# KiCad board KeeBoard.kicad_pcb (continued)
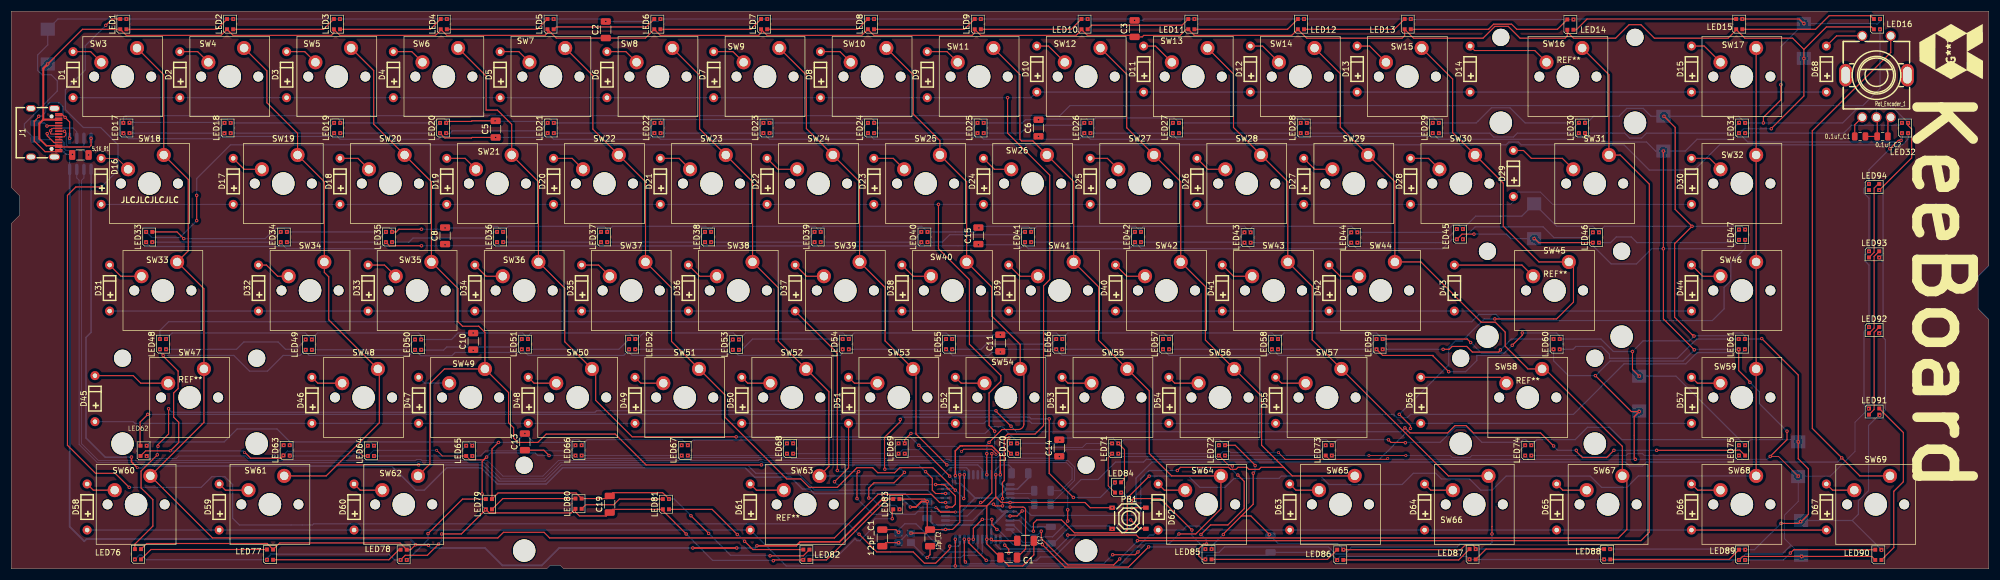
[diagram p0: board, top side]
## Routing (per net, layer and track width the routed paths; a pad name or vN(x,y) marks a point on that pad's centre or on a via; arc(x,y) is an arc through that point) (continued)
C12: length 230.4
  Top w0.2: v1(188,6) 200.2,6 200.7,5.5 286,5.5 287.5,7 287.5,16 286.96,16.54 SW67.2 286.7,21.8 272.91,35.59 SW58.2 269.91,35.59 265.85,39.65 265.85,42.15 264.08,43.92 261.58,43.92 250.86,54.64 246.21,54.64 246.21,68.93 SW29.2 236.5,78.65 236.5,88.17 SW14.2 ; v1(176.8,4.2) 177.5,3.5 v1(177.5,2.8)
  Bottom w0.2: v1(188,6) 188,5.5 185.6,3.1 177.8,3.1 v1(177.5,2.8) ; v1(176.8,4.2) 176.8,4.46 U2.12
C13: length 187.7
  Top w0.2: v1(188,10.5) v1(188,8.5) ; v1(264,44.5) 275,44.5 278,47.5 278,54 277.36,54.64 SW45.2 271.86,54.64 265.5,61 265.5,68.69 SW30.2 256.5,77.69 256.5,87.22 SW15.2 ; v1(249,25) 249,25.5 v1(247,27.5)
  Bottom w0.2: v1(264,44.5) 262.1,44.5 258.15,40.55 256.95,40.55 255.8,39.4 255.8,36.3 v1(247,27.5) ; v1(249,25) 243.47,19.47 202.03,19.47 202,19.5 201.5,19 196.5,19 193.4,15.9 190.4,15.9 188,13.5 v1(188,10.5) ; U2.11 180.04,4.7 182.7,4.7 183.7,5.7 185.3,5.7 188,8.4 v1(188,8.5)
C14: length 212.8
  Top w0.2: v1(200.4,5) 290,5 291.5,6.5 291.5,68.5 286.31,73.69 SW31.2 284.31,87.98 SW16.2 ; v1(183.3,6.7) 183.3,5.4 188.02,0.68 196.18,0.68 v1(197.25,1.75)
  Bottom w0.2: U2.10 178.27,7.8 180.07,6 182.6,6 v1(183.3,6.7) ; v1(197.25,1.75) 200.4,4.9
C15: length 226.9
  Top w0.2: v1(181.9,6.7) 181.9,8.1 182.5,8.7 186.9,8.7 189.2,6.4 198.1,6.4 198.6,6.9 198.6,12.6 v1(202.5,16.5) ; SW17.2 SW32.2 SW46.2 SW59.2 SW68.2
  Bottom w0.2: SW68.2 289.54,16.54 287.5,14.5 283,14.5 281,16.5 266,16.5 263.5,14 261.5,14 259.5,16 254.5,16 253.5,17 249.5,17 247.51,15.01 234.49,15.01 233,16.5 226,16.5 225.6,16.1 217.6,16.1 216,14.5 211.5,14.5 209.5,16.5 v1(202.5,16.5) ; U2.9 179.4,8.6 181.3,6.7 v1(181.9,6.7)
C16: length 250.2
  Top w0.2: v1(177.74,9.4) 179,9.4 v1(179.9,10.3) ; SW69.2 328.96,16.54 v1(325.75,19.75) 320.5,25 320.5,78 334.46,91.96 Rot_Encoder_1.E
  Bottom w0.2: v1(179.9,10.3) 180.7,10.3 181.5,9.5 199.7,9.5 200.15,9.95 200.15,16.15 203,19 287.3,19 288,18.3 290.3,18.3 291,19 325,19 v1(325.75,19.75)
d+: length 238.5
  Bottom w0.15: R2.1 189.22,15.76 189.22,18.09 188.02,19.3 167.05,19.3 166.9,19.45 166.1,19.45 165.95,19.3 134.05,19.3 133.9,19.45 133.1,19.45 132.95,19.3 97.4,19.3 94.6,16.5 87.5,16.5 84.7,19.3 73.05,19.3 72.9,19.45 72.1,19.45 71.95,19.3 15.48,19.3 12.52,22.26 12.52,69.2 12.93,69.61 U3.2
d-: length 237
  Bottom w0.15: R3.1 186.73,13.9 188.78,15.95 188.78,17.91 187.78,18.9 166.88,18.9 166.73,19.05 166.27,19.05 166.12,18.9 133.88,18.9 133.73,19.05 133.27,19.05 133.12,18.9 97.7,18.9 94.8,16 87.1,16 84.2,18.9 72.88,18.9 72.73,19.05 72.27,19.05 72.12,18.9 15.32,18.9 12.07,22.14 12.07,69.2 11.66,69.61 U3.3
encoder_a: length 4
  Top w0.2: 0.1uf_C1.1 328.05,79.08 329.38,80.41
encoder_b: length 3.6
  Top w0.2: 0.1uf_C2.2 333.95,79.9 Rot_Encoder_1.B
LED_DIN: length 268.1
  Top w0.2: v1(16.82,96.79) 17.95,97.91 LED1.4 ; v1(150.87,6.16) 154.03,3 160.5,3 162.5,1 164.5,1 167,3.5 167,4 ; v1(16,68) 11.5,68 10,66.5 10,22 15,17 18.5,17 v1(21,14.5)
  Bottom w0.2: v1(21,14.5) 33.8,14.5 35.7,16.4 38,16.4 39.4,15 39.4,9 40.6,7.8 53.6,7.8 53.8,8 149,8 150.8,6.2 ; v1(16,68) 19,71 19,75.5 15.91,78.59 12.83,78.59 9.64,81.78 9.64,85.31 13.17,88.84 13.17,93.14 v1(16.82,96.79) ; U2.21 168.8,4.3 168.5,4 168.48,4.02 v1(167.01,4.02)
R1: length 406
  Top w0.2: v1(176.4,11.2) 175.1,11.2 v1(174.8,11.5) ; v1(177.3,83.9) 177.3,77.6 184.8,70.1 184.8,51.5 183.7,50.4 183.7,25.5 182.2,24 177.3,24 176.7,23.4 176.7,15.7 176.4,15.4 v1(176.4,12.5)
  Bottom w0.2: v1(176.4,12.5) v1(176.4,11.2) ; v1(174.8,11.5) 174,11.5 171.1,8.6 U2.25 ; D68.1 D10.1 181.5,83.9 v1(177.3,83.9) D1.1
R2: length 352.8
  Top w0.2: v1(175,24.5) 174,25.5 174,31.3 176.1,33.4 176.1,34.4 170.5,40 170.5,51.5 165,57 v1(165,64.9) ; v1(172.5,11.8) 172.8,11.8 174.5,13.5 v1(174.5,20.5)
  Bottom w0.15: D30.1 274.3,64.9 272.1,67.1 268.1,67.1 D29.1 267.3,65.4 266.8,64.9 v1(165,64.9) D16.1
  Bottom w0.2: v1(175,24.5) 175,21 v1(174.5,20.5) ; U2.26 170.1,9.4 v1(172.5,11.8)
R3: length 340.1
  Top w0.2: v1(150.5,12.5) 150.5,17 v1(150.8,17.3) ; v1(147,17.5) 147,38.4 D37.1
  Bottom w0.2: v1(150.8,17.3) 147.3,17.3 147,17.6 ; v1(150.5,12.5) 153.3,9.7 160.8,9.7 161.3,10.2 U2.27 ; 257.9,45.9 D43.1 ; 257.9,45.9 D44.1 ; 257.9,45.9 D31.1
R4: length 321.7
  Top w0.2: v1(166.5,11) 167.5,11 168,11.5 168,13 166,15 v1(164.5,15) ; D51.1 149,18 v1(146.5,15.5)
  Bottom w0.2: D45.1 21.7,26.2 22,25.9 173.1,25.9 173.5,26.3 181.2,26.3 181.6,25.9 D57.1 ; v1(164.5,15) 147,15 v1(146.5,15.5)
R5: length 320.1
  Top w0.2: D66.1 D67.1 ; v1(168,5.26) v1(168,0.5)
  Bottom w0.2: D66.1 D65.1 D64.1 D63.1 212.1,6.9 211.4,7.6 209.2,7.6 208.5,6.9 D62.1 203.2,6 202.6,6 197.1,0.5 v1(168,0.5) 137.9,0.5 D61.1 D58.1
Rt_1: length 7.1
  Top w0.2: 329.38,94.91 324.81,94.91 D68.2
Net-(D1-A): length 5.8
  Top w0.2: SW3.1 14.13,92.1 D1.2
Net-(D2-A): length 5.9
  Top w0.2: D2.2 33.18,92.1 SW4.1
Net-(D3-A): length 5.9
  Top w0.2: SW5.1 52.23,92.1 D3.2
Net-(D4-A): length 6
  Top w0.2: SW6.1 71.28,92.1 D4.2
Net-(D5-A): length 6
  Top w0.2: D5.2 90.33,92.1 SW7.1
Net-(D6-A): length 6.1
  Top w0.2: D6.2 109.38,92.1 SW8.1
Net-(D7-A): length 6.1
  Top w0.2: SW9.1 128.43,92.1 D7.2
Net-(D8-A): length 6.2
  Top w0.2: D8.2 147.48,92.1 SW10.1
Net-(D9-A): length 6.2
  Top w0.2: SW11.1 166.53,92.1 D9.2
Net-(D10-A): length 6.2
  Top w0.2: D10.2 184.58,93.1 SW12.1
Net-(D11-A): length 6.2
  Top w0.2: SW13.1 203.63,93.1 D11.2
Net-(D12-A): length 6.3
  Top w0.2: SW14.1 222.68,93.1 D12.2
Net-(D13-A): length 6.3
  Top w0.2: SW15.1 241.73,93.1 D13.2
Net-(D14-A): length 14.8
  Top w0.2: SW16.1 271.1,92.3 271.1,92.3 260.4,92.3 D14.2
Net-(D15-A): length 6.4
  Top w0.2: D15.2 301.26,93.1 SW17.1
Net-(D16-A): length 5.6
  Top w0.15: SW18.1 18.84,73.1 D16.2
Net-(D17-A): length 5.9
  Top w0.2: SW19.1 41.45,71.15 D17.2
Net-(D18-A): length 6
  Top w0.2: D18.2 61.7,73.1 SW20.1
Net-(D19-A): length 6
  Top w0.2: SW21.1 80.75,73.1 D19.2
Net-(D20-A): length 6.1
  Top w0.2: SW22.1 99.81,73.1 D20.2
Net-(D21-A): length 6.1
  Top w0.2: D21.2 118.85,73.1 SW23.1
Net-(D22-A): length 6.2
  Top w0.2: SW24.1 136.45,71.15 D22.2
Net-(D23-A): length 6.2
  Top w0.2: SW25.1 156.96,73.1 D23.2
Net-(D24-A): length 5.8
  Top w0.2: SW26.1 174.95,71.15 D24.2
Net-(D25-A): length 5.8
  Top w0.2: D25.2 195.06,73.1 SW27.1
Net-(D26-A): length 5.9
  Top w0.2: SW28.1 212.95,71.15 D26.2
Net-(D27-A): length 5.9
  Top w0.2: D27.2 231.95,71.15 SW29.1
Net-(D28-A): length 6
  Top w0.2: D28.2 252.2,73.1 SW30.1
Net-(D29-A): length 12.1
  Top w0.2: SW31.1 276.02,73.1 270.5,73.1 269.1,74.5 D29.2
Net-(D30-A): length 6
  Top w0.2: SW32.1 302.21,73.1 D30.2
Net-(D31-A): length 6.5
  Top w0.2: SW33.1 19.5,52.1 D31.2
Net-(D32-A): length 6.2
  Top w0.2: SW34.1 47.4,52.1 45.4,54.1 D32.2
Net-(D33-A): length 5.7
  Top w0.2: D33.2 66.42,54.1 68.42,52.1
Net-(D34-A): length 5.8
  Top w0.2: D34.2 84.5,52.1 SW36.1
Net-(D35-A): length 5.8
  Top w0.2: D35.2 104.52,54.1 SW37.1
Net-(D36-A): length 5.9
  Top w0.2: SW38.1 122.5,52.1 D36.2
Net-(D37-A): length 5.9
  Top w0.2: SW39.1 141.5,52.1 D37.2
Net-(D38-A): length 6
  Top w0.2: D38.2 160.5,52.1 SW40.1
Net-(D39-A): length 6
  Top w0.2: SW41.1 179.5,52.1 D39.2
Net-(D40-A): length 6.1
  Top w0.2: D40.2 198.5,52.1 SW42.1
Net-(D41-A): length 6.1
  Top w0.2: SW43.1 217.5,52.1 D41.2
Net-(D42-A): length 6.2
  Top w0.2: SW44.1 236.5,52.1 D42.2
Net-(D43-A): length 14.8
  Top w0.2: D43.2 268.82,54.1 SW45.1
Net-(D44-A): length 6
  Top w0.2: SW46.1 301,52.1 D44.2
Net-(D45-A): length 13.6
  Top w0.2: SW47.1 23.05,33.05 21.7,34.4 D45.2
Net-(D46-A): length 5.8
  Top w0.2: D46.2 54.55,33.05 SW48.1
Net-(D47-A): length 5.9
  Bottom w0.2: D47.2 73.55,33.05 SW49.1
Net-(D48-A): length 5.4
  Top w0.2: SW50.1 93.05,33.05 D48.2
Net-(D49-A): length 5.5
  Top w0.2: D49.2 112.05,33.05 SW51.1
Net-(D50-A): length 5.5
  Top w0.2: SW52.1 131.05,33.05 D50.2
Net-(D51-A): length 5.6
  Top w0.2: D51.2 150.05,33.05 SW53.1
Net-(D52-A): length 5.6
  Top w0.2: D52.2 169.05,33.05 SW54.1
Net-(D53-A): length 5.7
  Top w0.2: SW55.1 188.05,33.05 D53.2
Net-(D54-A): length 5.7
  Top w0.2: D54.2 207.05,33.05 SW56.1
Net-(D55-A): length 5.8
  Top w0.2: D55.2 226.05,33.05 SW57.1
Net-(D56-A): length 15.7
  Top w0.2: SW58.1 265.01,34.1 D56.2
Net-(D57-A): length 5.6
  Top w0.2: D57.2 300.05,33.05 SW59.1
Net-(D58-A): length 5.4
  Top w0.2: SW60.1 14.6,14 D58.2
Net-(D59-A): length 5.7
  Top w0.2: SW61.1 38.1,14 D59.2
Net-(D60-A): length 5.5
  Top w0.2: SW62.1 62.1,14 D60.2
Net-(D61-A): length 6.4
  Top w0.2: D61.2 132.6,14 SW63.1
Net-(D62-A): length 5.3
  Top w0.2: SW64.1 205.2,14 D62.2
Net-(D63-A): length 5.7
  Top w0.2: D63.2 228.6,14 SW65.1
Net-(D64-A): length 5.5
  Top w0.2: D64.2 252.6,14 SW66.1
Net-(D65-A): length 5.8
  Top w0.2: D65.2 276.1,14 SW67.1
Net-(D66-A): length 5.6
  Top w0.2: D66.2 300.1,14 SW68.1
Net-(D67-A): length 5.4
  Top w0.2: SW69.1 324.1,14 D67.2
Net-(J1-CC1): length 4.3
  Top w0.2: J1.A5 6.43,78.92 v1(6.36,78.85)
  Bottom w0.2: 6.3,79 5.94,79.36 5.1K_R2.1
Net-(J1-CC2): length 12.4
  Top w0.2: J1.B5 7.59,75.92 6.4,77.12 v1(6.4,77.5)
  Bottom w0.2: v1(6.4,77.5) 6.9,77 8.3,77 9.4,75.9 9.4,74.9 9.8,74.5 12.96,74.5 v1(13.76,73.7)
Net-(J1-D+-PadA6): length 10.5
  Top w0.15: J1.B6 9.43,76.92 9.7,77.2 9.7,77.7 v1(9.48,77.92) J1.A6
  Bottom w0.15: U3.7 12.93,75.44 12.5,75 10.3,75 9.8,75.5 9.8,77.6 v1(9.48,77.92)
Net-(J1-D--PadA7): length 10
  Top w0.15: J1.B7 7.23,78.42 7,78.2 v1(7,78) 7,77.5 7.07,77.42 J1.A7
  Bottom w0.15: v1(7,78) 7.5,78.5 11,78.5 11.66,77.84 U3.6
Net-(J1-GND-PadA1): length 23.5
  Top w0.2: 4.9,80.5 4.1,79.7 4.1,76.2 6.02,74.28 8.1,74.28 J1.B1 ; J1.A1 8.95,81.03 v1(9.59,80.39) 10.39,79.58 v1(10.39,76.67)
  Bottom w0.2: 9.5,80.5 9.2,80.8 9.2,82.3 8.5,83 6.8,83 6.1,82.3 6.1,81.3 5.4,80.6 v1(4.9,80.6)
Net-(LED1-DOUT): length 18.7
  Top w0.2: LED1.2 36.58,96.09 LED2.4
Net-(LED2-DOUT): length 18.7
  Top w0.2: LED3.4 55.58,96.09 LED2.2
Net-(LED3-DOUT): length 18.7
  Top w0.2: LED3.2 74.58,96.09 LED4.4
Net-(LED4-DOUT): length 18.7
  Top w0.2: LED5.4 93.59,96.09 LED4.2
Net-(LED5-DOUT): length 18.7
  Top w0.2: LED5.2 96.58,96.09 97,96.5 113.01,96.5 LED6.4
Net-(LED6-DOUT): length 18.7
  Top w0.2: LED7.4 131.6,96.09 LED6.2
Net-(LED7-DOUT): length 18.7
  Top w0.2: LED7.2 150.6,96.09 LED8.4
Net-(LED8-DOUT): length 18.7
  Top w0.2: LED8.2 169.61,96.09 LED9.4
Net-(LED10-DIN): length 18.7
  Top w0.2: LED9.2 188.62,96.09 LED10.4
Net-(LED10-DOUT): length 18.7
  Top w0.2: LED11.4 208.35,96.82 192.28,96.82 191.54,96.09
Net-(LED11-DOUT): length 19.2
  Top w0.2: LED11.2 227.12,96.09 LED12.4
Net-(LED12-DOUT): length 18.7
  Top w0.2: LED13.4 246.12,96.09 LED12.2
Net-(LED13-DOUT): length 29.3
  Top w0.2: LED13.2 262.9,96.09 262.9,96.1 263.8,97 266.99,97 267.9,96.09 275.15,96.09 LED14.4
Net-(LED14-DOUT): length 29.7
  Top w0.2: LED15.4 280.42,97.91 278.5,96 LED14.2
Net-(LED15-DOUT): length 24.6
  Top w0.2: LED16.4 330.87,98.5 323.5,98.5 321.08,96.09 LED15.2
Net-(LED16-DOUT): length 326.2
  Bottom w0.2: v1(332.55,96.09) 332.55,85.55 329.5,82.5 188.4,82.5 186.6,80.7 20.45,80.7 arc(20.1,80.55) 19.95,80.2 v1(19.95,79.41)
Net-(LED17-DOUT): length 17.7
  Bottom w0.2: v1(37.95,79.41) 36.12,77.59 v1(21.05,77.59)
Net-(LED18-DOUT): length 19.2
  Bottom w0.2: v1(39.05,77.59) 55.62,77.59 v1(57.45,79.41)
Net-(LED19-DOUT): length 18.5
  Bottom w0.2: v1(76.3,79.41) 74.47,77.59 v1(58.55,77.59)
Net-(LED20-DOUT): length 18.9
  Bottom w0.2: v1(77.4,77.59) 77.49,77.5 78,77.5 78.5,78 94.03,78 v1(95.45,79.41)
Net-(LED21-DOUT): length 18.7
  Bottom w0.2: v1(96.55,77.59) 112.62,77.59 v1(114.45,79.41)
Net-(LED22-DOUT): length 19.1
  Bottom w0.2: v1(133.85,79.41) 132.02,77.59 v1(115.55,77.59)
Net-(LED23-DOUT): length 18.3
  Bottom w0.2: v1(152.45,79.41) 150.62,77.59 v1(134.95,77.59)
Net-(LED24-DOUT): length 19.2
  Bottom w0.2: v1(153.55,77.59) 170.12,77.59 v1(171.95,79.41)
Net-(LED25-DOUT): length 18.7
  Bottom w0.2: v1(173.05,77.59) 179.59,77.59 181,79 190.53,79 v1(190.95,79.41)
Net-(LED26-DOUT): length 15.4
  Bottom w0.2: v1(192.05,77.59) 204.88,77.59 v1(206.71,79.41)
Net-(LED27-DOUT): length 22.4
  Bottom w0.2: v1(229.45,79.41) 227.62,77.59 v1(207.81,77.59)
Net-(LED28-DOUT): length 23.2
  Bottom w0.2: v1(230.55,77.59) 251.12,77.59 v1(252.95,79.41)
Net-(LED29-DOUT): length 26.3
  Bottom w0.2: v1(254.05,77.59) 263.12,77.59 263.8,76.9 267.31,76.9 268,77.59 277.08,77.59 v1(279,79.5)
Net-(LED30-DOUT): length 29
  Bottom w0.2: v1(280.05,77.59) 287.12,77.59 288,76.7 290.12,76.7 291,77.59 305.58,77.59 v1(307.5,79.5)
Net-(LED31-DOUT): length 28.7
  Bottom w0.2: v1(308.55,77.59) 326.08,77.59 327.5,79 336.04,79 v1(336.45,79.41)
Net-(LED32-DOUT): length 330.8
  Top w0.2: v1(33,66.5) v1(33,62)
  Bottom w0.2: v1(24,60) 25,59 30,59 v1(33,62) ; v1(337.55,77.59) 337.55,76.55 336.5,75.5 304,75.5 299.5,71 291.5,71 287,75.5 268.7,75.5 268.2,76 266.5,76 266,75.5 39,75.5 33,69.5 v1(33,66.5)
Net-(LED33-DOUT): length 23.6
  Bottom w0.2: v1(47.95,60) 46.12,58.17 v1(25.1,58.17)
Net-(LED34-DOUT): length 18.4
  Bottom w0.2: v1(49.05,58.17) 64.84,58.17 v1(66.67,60)
Net-(LED35-DOUT): length 19.4
  Bottom w0.2: v1(86.45,60) 85.9,60 84.8,58.9 71.5,58.9 70.77,58.17 v1(67.77,58.17)
Net-(LED36-DOUT): length 18.2
  Bottom w0.2: v1(104.95,60) 103.12,58.17 v1(87.55,58.17)
Net-(LED37-DOUT): length 18.2
  Bottom w0.2: v1(106.05,58.17) 121.62,58.17 v1(123.45,60)
Net-(LED38-DOUT): length 19.2
  Bottom w0.2: v1(142.95,60) 141.12,58.17 v1(124.55,58.17)
Net-(LED39-DOUT): length 18.7
  Bottom w0.2: v1(161.95,60) 160.12,58.17 v1(144.05,58.17)
Net-(LED40-DOUT): length 18.1
  Bottom w0.2: v1(180.4,60) 180,60 179.5,59.5 167,59.5 165.67,58.17 v1(163.05,58.17)
Net-(LED41-DOUT): length 19.2
  Bottom w0.2: v1(181.5,58.17) 198.12,58.17 v1(199.95,60)
Net-(LED42-DOUT): length 19.1
  Bottom w0.2: v1(201.05,58.17) 217.71,58.17 v1(219.45,59.91)
Net-(LED43-DOUT): length 18.7
  Bottom w0.2: v1(220.55,58.09) 236.62,58.09 v1(238.45,59.91)
Net-(LED44-DOUT): length 18.7
  Bottom w0.2: v1(239.55,58.09) 254.79,58.09 257.2,60.5
  vias: v1(257.22,60.49)
Net-(LED45-DOUT): length 25.2
  Bottom w0.2: v1(281.45,59.91) 280.52,58.98 274.52,58.98 272.6,60.9 260.5,60.9 v1(258.3,58.7)
Net-(LED46-DOUT): length 26.7
  Bottom w0.2: v1(307.45,60.41) 305.12,58.09 289.3,58.09 288.29,59.1 285.62,59.1 284.6,58.09 v1(282.55,58.09)
Net-(LED47-DOUT): length 296.2
  Bottom w0.2: v1(308.55,58.59) 308.55,57.05 306,54.5 306,51.3 304.8,50.1 304.8,46.3 302.7,44.2 265.3,44.2 264.2,45.3 261.2,45.3 259.9,44 28,44 26.45,42.45 v1(26.45,40.92)
Net-(LED48-DOUT): length 26.7
  Bottom w0.2: v1(52.4,40.83) 50.66,39.08 48.8,39.08 47.48,40.4 41.4,40.4 40.09,39.08 v1(27.55,39.08)
Net-(LED49-DOUT): length 19.1
  Bottom w0.2: v1(53.5,39) 70.02,39 v1(71.85,40.83)
Net-(LED50-DOUT): length 18.8
  Bottom w0.2: v1(90.85,40.92) 90.85,40.85 89.5,39.5 77.5,39.5 76.95,38.95 73,38.95 v1(72.95,39)
Net-(LED51-DOUT): length 18.8
  Bottom w0.2: v1(91.95,39.08) 108.12,39.08 v1(109.95,40.92)
Net-(LED52-DOUT): length 18.1
  Bottom w0.2: v1(128.4,40.83) 126.66,39.08 v1(111.05,39.08)
Net-(LED53-DOUT): length 19.2
  Bottom w0.2: v1(129.5,39) 130,39 131.91,40.92 v1(147.95,40.92)
Net-(LED54-DOUT): length 18.1
  Bottom w0.2: v1(149.05,39.08) 164.59,39.08 166.35,40.85 v1(166.35,40.92)
Net-(LED55-DOUT): length 19.3
  Bottom w0.2: v1(185.95,40.92) 185.91,40.92 185,40 173.5,40 172.59,39.08 v1(167.45,39.08)
Net-(LED56-DOUT): length 18.7
  Bottom w0.2: v1(204.95,40.92) 203.12,39.08 v1(187.05,39.08)
Net-(LED57-DOUT): length 19
  Bottom w0.2: v1(206.05,39.08) 222.5,39.08 v1(224.33,40.92)
Net-(LED58-DOUT): length 18.3
  Bottom w0.2: v1(242.95,40.92) 241.12,39.08 v1(225.43,39.08)
Net-(LED59-DOUT): length 32
  Top w0.2: v1(254.8,39.08) 255.9,39.08 256.42,39.6 259,39.6 260,38.6 264.7,38.6 265,38.9
  Bottom w0.2: v1(244.05,39.08) v1(254.8,39.08) ; v1(265,38.98) 265,39 266.92,40.92 v1(274.45,40.92)
Net-(LED60-DOUT): length 34.8
  Bottom w0.2: v1(275.55,39.08) 277.92,39.08 278.43,39.6 283,39.6 284.4,38.2 284.4,37.5 296.5,37.5 299.92,40.92 v1(307.4,40.92)
Net-(LED61-DOUT): length 295.7
  Top w0.2: 22.93,21.92 22.93,26.13 v1(24.3,27.5)
  Bottom w0.2: v1(24.3,27.5) 246,27.5 246.58,26.92 247.62,26.92 247.64,26.9 248.4,26.9 249,27.5 278,27.5 287,36.5 298,36.5 300,38.5 308,38.5 308.5,39 v1(308.5,39.08)
Net-(LED62-DOUT): length 25.9
  Bottom w0.15: v1(48.5,22) 47.63,21.13 47.6,21.13 46.17,19.7 42.09,19.7 41.7,20.08 29.8,20.08 29.34,19.63 24.47,19.63 v1(24.1,20)
Net-(LED63-DOUT): length 14.6
  Bottom w0.15: v2(63.45,21.92) 61.62,20.08 v1(49.6,20.08)
Net-(LED64-DOUT): length 17.2
  Bottom w0.15: v2(64.55,20.08) 79.12,20.08 v2(80.95,21.92)
Net-(LED65-DOUT): length 19.2
  Bottom w0.15: v2(82.05,20.08) 83.5,20.08 83.5,20.1 84.4,21 99.5,21 100.4,21.9 v2(100.4,22)
Net-(LED66-DOUT): length 18.6
  Bottom w0.15: v2(119.3,22) 117.47,20.17 v2(101.5,20.17)
Net-(LED67-DOUT): length 18.5
  Bottom w0.15: v2(138.04,22.33) 135.88,20.17 v2(120.4,20.17)
Net-(LED68-DOUT): length 19.5
  Bottom w0.15: v2(139.14,20.5) 156.07,20.5 v2(157.9,22.33)
Net-(LED69-DOUT): length 20.3
  Bottom w0.15: v2(177.9,22.33) 177.9,22.3 175.4,19.8 173.4,19.8 173.2,20 159.5,20 v2(159,20.5)
Net-(LED70-DOUT): length 17.7
  Bottom w0.15: v2(179,20.5) 184.3,20.5 185.4,21.6 190.6,21.6 191.33,22.33 v2(195.9,22.33)
Net-(LED71-DOUT): length 18.5
  Bottom w0.15: v2(214.9,22) 213.4,20.5 v2(197,20.5)
Net-(LED72-DOUT): length 18.7
  Bottom w0.15: v2(216,20.17) 232.07,20.17 v2(233.9,22)
Net-(LED73-DOUT): length 35.6
  Top w0.15: v2(241.6,20.17) v2(248.17,20.17) 248.2,20.2
  Bottom w0.15: 241.67,20.17 v2(241.6,20.17) v2(235,20.17) ; v2(269.4,22) 267.57,20.17 259.9,20.17 259.56,19.83 256.44,19.83 256.1,20.17 v2(248.17,20.17)
Net-(LED74-DOUT): length 38.2
  Bottom w0.15: v2(307.45,22) 305.62,20.17 290.6,20.17 290.27,20.5 287.7,20.5 287.4,20.2 287.4,20.17 284.5,20.17 284.23,19.9 279.67,19.9 279.4,20.17 v2(270.5,20.17)
Net-(LED75-DOUT): length 316
  Top w0.2: v1(274.46,21.88) 272.14,24.2 260.2,24.2 258.9,25.5 256.9,25.5 255.6,24.2 248.9,24.2 v1(248,25.1) ; v1(292.8,21.1) 307.2,21.1 307.22,21.12 307.6,21.12 LED75.2 ; LED76.4 22,4.3 21.95,4.35 25.2,7.6 25.2,12.3 23.1,14.4 23.1,17.4 v1(26,20.3) ; v1(28,28.5) 28,24 26,22 ; v1(278.5,21.1) 278.5,20.9 279.6,19.8 283.9,19.8 v1(285.2,21.1) ; v1(177.91,25.4) 177.9,25.4 175.2,28.1
  Bottom w0.2: v1(278.5,21.1) 275.2,21.1 274.5,21.8 ; v1(26,20.3) 26,21.68 v1(26.12,21.8) ; v1(248,25.1) 247.3,24.4 178.9,24.4 178,25.3 ; v1(292.8,21.1) v1(285.2,21.1) ; v1(28,28.5) 28.62,27.88 103.88,27.88 104.15,28.15 v1(175.23,28.15)
Net-(LED76-DOUT): length 23.1
  Top w0.2: LED77.4 24.86,3.43 LED76.2
Net-(LED77-DOUT): length 23.4
  Top w0.2: LED77.2 67.2,1.6 69,3.4 LED78.4
Net-(LED78-DOUT): length 19.2
  Top w0.2: v1(74.17,6.27) 80.31,12.42 LED79.4
  Bottom w0.2: v1(74.17,6.27) 74.17,5.17 70.57,1.57 v1(70.38,1.57)
Net-(LED79-DOUT): length 15.6
  Top w0.2: LED79.2 87.47,12.5 LED80.4
Net-(LED80-DOUT): length 15.2
  Top w0.2: LED80.2 102.23,11.4 107.2,11.4 108.22,12.42 LED81.4
Net-(LED81-DOUT): length 26.8
  Top w0.2: LED81.2 124.72,10.58 v1(129.2,6.1) ; v1(130.5,4.9) 131.99,3.42 LED82.4
  Bottom w0.2: v1(130.5,4.9) 129.35,6.05 ; 129.3,6.1 v1(129.2,6.1)
Net-(LED82-DOUT): length 19.4
  Top w0.2: LED82.2 145.09,1.58 155.91,12.42 LED83.4
Net-(LED83-DOUT): length 80.2
  Top w0.2: 155.4,17.8 155.4,23.4 158.2,26.2 v1(158.2,26.6) ; v1(189,12.7) 184.7,17 v1(184.7,26.7) ; v1(158.95,17.16) 157.08,15.3 153.5,15.3 152.6,14.4 v1(152.6,12.6)
  Bottom w0.2: v1(184.7,26.7) 181.5,26.7 181.2,27 158.5,27 158.2,26.7 ; v1(155.47,17.74) 158.36,17.74 158.9,17.2 ; v1(189,12.7) 193.8,12.7 v1(196.4,15.3) ; v1(152.6,12.6) 153.1,12.6 154.4,11.3 157.4,11.3 v1(158.1,10.6)
Net-(LED84-DOUT): length 20
  Top w0.2: 199.4,12.1 199.4,12.2 199.7,12.5 204.5,12.5 v1(210.1,6.9)
  Bottom w0.2: 210.1,6.8 210.1,5.9 v1(212.5,3.5) ; v1(197.5,13.57) 197.83,13.57 198.39,13.01 198.39,13 v1(199.36,12.03)
Net-(LED85-DOUT): length 23.1
  Top w0.2: LED85.2 234.22,1.67 LED86.4
Net-(LED86-DOUT): length 23.2
  Top w0.2: LED87.4 257.57,1.57 LED86.2
Net-(LED87-DOUT): length 23.6
  Top w0.2: LED88.4 262.43,3.5 LED87.2
Net-(LED88-DOUT): length 23.6
  Top w0.2: LED89.4 305.72,1.67 LED88.2
Net-(LED89-DOUT): length 23.9
  Top w0.2: v1(316.6,2.8) 317.2,3.4 LED90.4
  Bottom w0.2: v1(316.6,2.8) 315.37,1.57 v1(308.55,1.57)
Net-(LED90-DOUT): length 30.4
  Top w0.2: LED91.4 336.7,24.27 336.7,15.5 335,13.8 335,3.77 LED90.2
Net-(LED91-DOUT): length 16.4
  Top w0.2: LED92.4 331.5,42.14 331.5,28.36 LED91.2
Net-(LED92-DOUT): length 15.4
  Top w0.2: LED93.4 331.5,55.64 331.5,42.86 LED92.2
Net-(LED93-DOUT): length 14
  Top w0.2: LED94.4 332.26,68.55 331.5,67.79 331.5,56.36 LED93.2
Net-(PB1-C): length 31.3
  Top w0.2: v1(199.2,8.7) 200.78,7.12 PB1.4
  Bottom w0.2: U2.13 175.2,4.3 176,3.5 183.96,3.5 R1.2 185.46,4.54 188.55,7.62 195.38,7.62 195.9,7.1 ; v1(199.2,8.7) 197.9,8.7 196.23,7.03 v1(195.89,7.03)
Net-(U2-D+): length 4.8
  Bottom w0.15: U2.4 180.94,12.6 R2.2
Net-(U2-D-): length 4.5
  Bottom w0.15: R3.2 181.54,13.4 U2.3
Net-(U2-UCAP): length 12.2
  Top w0.2: C1.1 180.47,3.5 180.5,3.5 180.5,10.5 arc(180.35,10.85) 180,11 v1(177.74,11)
Net-(U2-XTAL1): length 22.2
  Top w0.2: v1(157.9,6.5) 157.43,6.97 12pF_C1.1
  Bottom w0.2: X1.1 v1(157.9,6.5) 157.9,6.9 159,8 161,8 166,3 171.5,3 172,3.5 U2.17
Net-(U2-XTAL2): length 18.8
  Top w0.2: 12pF_C2.1 163.5,2.5 v1(163,2)
  Bottom w0.2: U2.16 172.8,2.8 172.4,2.4 169.4,2.4 169,2 v1(163,2) 162.75,2 X1.3

## Copper pours and planes (outline as drawn; the poured copper is in the pictures)
(no net) on Top, Bottom: -3.4,101.6 -3.4,-1.9 354.14,-1.9 355.59,-0.44 355.59,101.95 -3.05,101.95

## Text on the board
F.Silkscreen: JLCJLCJLCJLC | KeeBoard
